# Altium PCB Timingcard_PCB.PcbDoc (part 1 of 3) (continued)
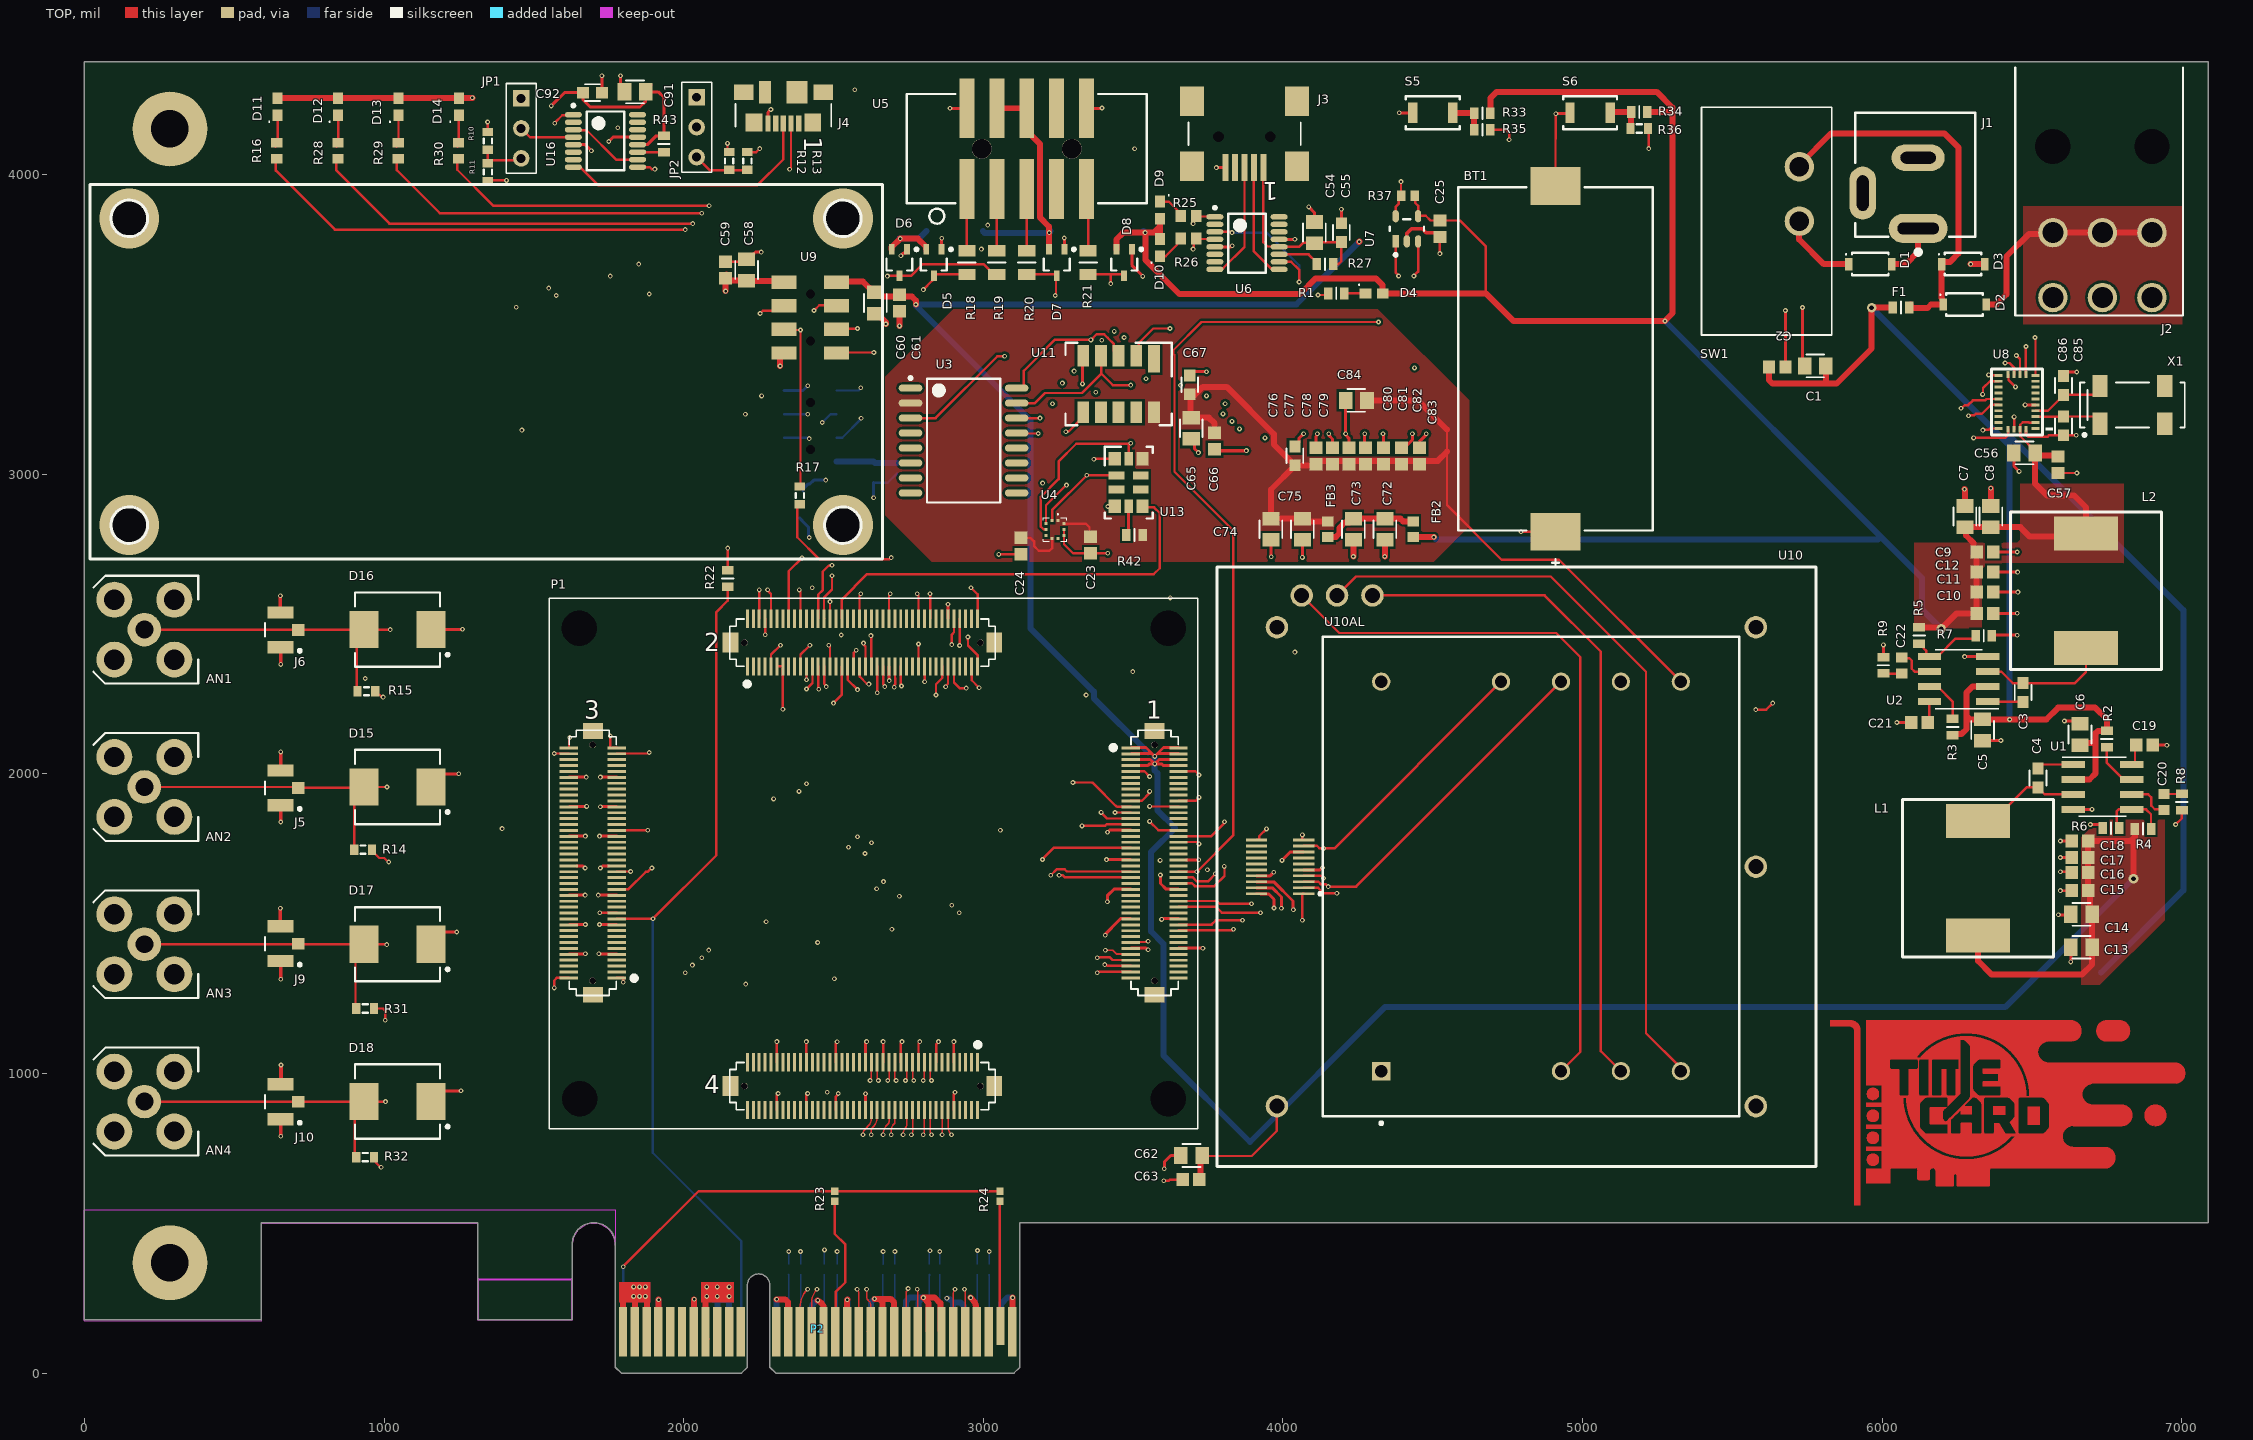
[diagram p0: TOP view]
## Footprints (in the part's own frame and the unit in brackets; to place one, negate y for a bottom-side part, rotate by r counter-clockwise, add the part's x,y. Pads: shape width x height; smd on the part's side, far side on the other; paste and mask are expansions set on the pad)
3PINV-100 [mil] "3Pin solder for flex cable"
  rect 55x55 hole 30: 1(0,0)
  round 55 hole 30: 2(100,0) 3(200,0)
  silkscreen extent -50,-50 250,50
39-30-1060 [mm] "HDR 2X3 MINI-FIT JR R/A 4.2MM"
  round 1.27 hole 3 unplated: 0(-8.4,-12.8) 0(0,-12.8)
  round 2.5 hole 1.8: 1(0,-5.5) 2(-4.2,-5.5) 3(-8.4,-5.5) 4(0,0) 5(-4.2,0) 6(-8.4,0)
  silkscreen extent -11.03,-19.49 3.18,1.52, body extent -11.03,-19.49 3.18,0.44, height 11.4
AMPHENOL-901-143-6RFX [mil] "CONN JACK SMA R/A TH"
  round 112 hole 60: 1(0,0)
  round 120 hole 68: 2(-100,-100) 3(-100,100) 4(100,100) 5(100,-100)
  silkscreen extent -180,-180 170,180, body extent -138,-138 356,138, height 388
BMP388 [mm]
  rect 0.25x0.275 smd: 1(0.25,0.763) 2(-0.25,0.763) 6(-0.25,-0.763) 7(0.25,-0.763)
  rect 0.275x0.25 smd: 3(-0.762,0.5) 4(-0.762,0) 5(-0.762,-0.5) 8(0.762,-0.5) 9(0.762,0) 10(0.762,0.5)
  silkscreen extent -1,-1 1,1.35
CAPC1005X06N [mm] "Chip Capacitor, 0402, 2-Leads, Body 1.00x0.50mm, IPC Medium Density"
  rect 0.68x0.64 smd: 1(-0.43,0) 2(0.43,0)
  body extent -0.55,-0.3 0.55,0.3, height 0.6
CAPC1608X10N [mm] "Chip Capacitor, 0603, 2-Leads, Body 1.60x0.80mm, IPC Medium Density"
  rect 1x0.95 smd: 1(-0.8,0) 2(0.8,0)
  silkscreen extent -0.64,-0.71 0.64,0.71, body extent -0.88,-0.48 0.87,0.48, height 1
CAPC1608X87X45ML20T05 [mm] "Chip Capacitor, 2-Leads, Body 1.60x0.80mm, IPC Low Density"
  rect 1.05x1.1 smd: 1(-0.7,0) 2(0.7,0)
  body extent -0.9,-0.5 0.9,0.5, height 0.87
CAPC1608X90X35NL10T15 [mm] "Chip Capacitor, 2-Leads, Body 1.60x0.80mm, IPC Medium Density"
  rect 0.85x0.95 smd: 1(-0.675,0) 2(0.675,0)
  body extent -0.85,-0.45 0.85,0.45, height 0.9
CAPC2012X14N [mm] "Chip Capacitor, 0805, 2-Leads, Body 2.00x1.25mm, IPC Medium Density"
  rect 1.15x1.45 smd: 1(-0.9,0) 2(0.9,0)
  silkscreen extent -0.76,-0.97 0.76,0.97, body extent -1.1,-0.72 1.1,0.72, height 1.4
CUI_PJ-002A [mm]
  oval 2.5x5 hole 1 slot 3.5 at 90 deg: 1(0,0)
  oval 2.25x4.5 hole 1 slot 3 at 90 deg: 2(6,0)
  oval 4.5x2.25 hole 1 slot 3 at 0 deg: 3(3,4.7)
  silkscreen extent -2.2,-4.83 9.8,5.33, body extent -0.74,-4.47 13.66,4.93, height 11.06
DIOM1608X06N [mm] "Molded Diode, 0603, 2-Leads, Body 1.60x0.80mm, IPC Medium Density"
  rect 1x0.85 smd: 1(-0.725,0) 2(0.725,0)
  silkscreen extent -1.32,0.68 -1.22,0.77, body extent -0.8,-0.4 0.8,0.4, height 0.6
DIOM6959X26N [mm] "Molded Diode, SMC, 2-Leads, Body 6.85x5.90mm, IPC Medium Density"
  rect 2.45x3.15 smd: A(2.85,0) K(-2.85,0)
  silkscreen extent -4.38,-3.15 3.6,3.15, body extent -4.06,-3.15 4.06,3.15, height 2.63
FP-5TS1-IPC_C [mm]
  rect 1.038x0.532 smd paste+0 mask+0: 1(-1.066,0.95)
  rrect100% 1.038x0.532 smd paste+0 mask+0: 2(-1.066,0) 3(-1.066,-0.95) 4(1.066,-0.95) 5(1.066,0.95)
  silkscreen extent -2.34,-1.45 0.8,1.45, body extent -1.69,-1.55 1.69,1.55, height 0.25
FP-BU2032SM-BT-GTR-MFG [mm]
  rect 3.2x4.2 smd paste+0 mask+0: 1(14.65,0) 2(-14.65,0)
  silkscreen extent -17.6,-8.25 14.55,8.25, body extent -16.35,-8.35 16.35,8.35, height 0.25
FPGA_CONN [mm]
  rect 1.55x0.25 smd: A-1(21.786,9.875) A-2(25.836,9.875) A-3(21.786,9.375) A-4(25.836,9.375) A-5(21.786,8.875) A-6(25.836,8.875) A-7(21.786,8.375) A-8(25.836,8.375) A-9(21.786,7.875) A-10(25.836,7.875) A-11(21.786,7.375) A-12(25.836,7.375) A-13(21.786,6.875) A-14(25.836,6.875) A-15(21.786,6.375) A-16(25.836,6.375) A-17(21.786,5.875) A-18(25.836,5.875) A-19(21.786,5.375) A-20(25.836,5.375) A-21(21.786,4.875) A-22(25.836,4.875) A-23(21.786,4.375) A-24(25.836,4.375) A-25(21.786,3.875) A-26(25.836,3.875) A-27(21.786,3.375) A-28(25.836,3.375) A-29(21.786,2.875) A-30(25.836,2.875) A-31(21.786,2.375) A-32(25.836,2.375) A-33(21.786,1.875) A-34(25.836,1.875) A-35(21.786,1.375) A-36(25.836,1.375) A-37(21.786,0.875) A-38(25.836,0.875) A-39(21.786,0.375) A-40(25.836,0.375) A-41(21.786,-0.125) A-42(25.836,-0.125) A-43(21.786,-0.625) A-44(25.836,-0.625) A-45(21.786,-1.125) A-46(25.836,-1.125) A-47(21.786,-1.625) A-48(25.836,-1.625) A-49(21.786,-2.125) A-50(25.836,-2.125) A-51(21.786,-2.625) A-52(25.836,-2.625) A-53(21.786,-3.125) A-54(25.836,-3.125) A-55(21.786,-3.625) A-56(25.836,-3.625) A-57(21.786,-4.125) A-58(25.836,-4.125) A-59(21.786,-4.625) A-60(25.836,-4.625) A-61(21.786,-5.125) A-62(25.836,-5.125) A-63(21.786,-5.625) A-64(25.836,-5.625) A-65(21.786,-6.125) A-66(25.836,-6.125) A-67(21.786,-6.625) A-68(25.836,-6.625) A-69(21.786,-7.125) A-70(25.836,-7.125) A-71(21.786,-7.625) A-72(25.836,-7.625) A-73(21.786,-8.125) A-74(25.836,-8.125) A-75(21.786,-8.625) A-76(25.836,-8.625) A-77(21.786,-9.125) A-78(25.836,-9.125) A-79(21.786,-9.625) A-80(25.836,-9.625) C-1(-21.786,-9.624) C-2(-25.836,-9.624) C-3(-21.786,-9.124) C-4(-25.836,-9.124) C-5(-21.786,-8.624) C-6(-25.836,-8.624) C-7(-21.786,-8.124) C-8(-25.836,-8.124) C-9(-21.786,-7.624) C-10(-25.836,-7.624) C-11(-21.786,-7.124) C-12(-25.836,-7.124) C-13(-21.786,-6.624) C-14(-25.836,-6.624) C-15(-21.786,-6.124) C-16(-25.836,-6.124) C-17(-21.786,-5.624) C-18(-25.836,-5.624) C-19(-21.786,-5.124) C-20(-25.836,-5.124) C-21(-21.786,-4.624) C-22(-25.836,-4.624) C-23(-21.786,-4.124) C-24(-25.836,-4.124) C-25(-21.786,-3.624) C-26(-25.836,-3.624) C-27(-21.786,-3.124) C-28(-25.836,-3.124) C-29(-21.786,-2.624) C-30(-25.836,-2.624) C-31(-21.786,-2.124) C-32(-25.836,-2.124) C-33(-21.786,-1.624) C-34(-25.836,-1.624) C-35(-21.786,-1.124) C-36(-25.836,-1.124) C-37(-21.786,-0.624) C-38(-25.836,-0.624) C-39(-21.786,-0.124) C-40(-25.836,-0.124) C-41(-21.786,0.376) C-42(-25.836,0.376) C-43(-21.786,0.876) C-44(-25.836,0.876) C-45(-21.786,1.376) C-46(-25.836,1.376) C-47(-21.786,1.876) C-48(-25.836,1.876) C-49(-21.786,2.376) C-50(-25.836,2.376) C-51(-21.786,2.876) C-52(-25.836,2.876) C-53(-21.786,3.376) C-54(-25.836,3.376) C-55(-21.786,3.876) C-56(-25.836,3.876) C-57(-21.786,4.376) C-58(-25.836,4.376) C-59(-21.786,4.876) C-60(-25.836,4.876) C-61(-21.786,5.376) C-62(-25.836,5.376) C-63(-21.786,5.876) C-64(-25.836,5.876) C-65(-21.786,6.376) C-66(-25.836,6.376) C-67(-21.786,6.876) C-68(-25.836,6.876) C-69(-21.786,7.376) C-70(-25.836,7.376) C-71(-21.786,7.876) C-72(-25.836,7.876) C-73(-21.786,8.376) C-74(-25.836,8.376) C-75(-21.786,8.876) C-76(-25.836,8.876) C-77(-21.786,9.376) C-78(-25.836,9.376) C-79(-21.786,9.876) C-80(-25.836,9.876)
  rect 1.7x1.35 smd: A-81(23.8,11.3) A-84(23.8,-11.05) C-81(-23.8,-11.05) C-84(-23.8,11.3)
  round 0.55 hole 0.55: A-82(23.811,10.125) A-83(23.811,-9.875) B-82(-10.951,18.795) B-83(9.049,18.795) C-82(-23.811,-9.874) C-83(-23.811,10.126) D-82(9.049,-18.795) D-83(-10.951,-18.795)
  rect 0.25x1.55 smd: B-1(-10.701,16.77) B-2(-10.701,20.82) B-3(-10.201,16.77) B-4(-10.201,20.82) B-5(-9.701,16.77) B-6(-9.701,20.82) B-7(-9.201,16.77) B-8(-9.201,20.82) B-9(-8.701,16.77) B-10(-8.701,20.82) B-11(-8.201,16.77) B-12(-8.201,20.82) B-13(-7.701,16.77) B-14(-7.701,20.82) B-15(-7.201,16.77) B-16(-7.201,20.82) B-17(-6.701,16.77) B-18(-6.701,20.82) B-19(-6.201,16.77) B-20(-6.201,20.82) B-21(-5.701,16.77) B-22(-5.701,20.82) B-23(-5.201,16.77) B-24(-5.201,20.82) B-25(-4.701,16.77) B-26(-4.701,20.82) B-27(-4.201,16.77) B-28(-4.201,20.82) B-29(-3.701,16.77) B-30(-3.701,20.82) B-31(-3.201,16.77) B-32(-3.201,20.82) B-33(-2.701,16.77) B-34(-2.701,20.82) B-35(-2.201,16.77) B-36(-2.201,20.82) B-37(-1.701,16.77) B-38(-1.701,20.82) B-39(-1.201,16.77) B-40(-1.201,20.82) B-41(-0.701,16.77) B-42(-0.701,20.82) B-43(-0.201,16.77) B-44(-0.201,20.82) B-45(0.299,16.77) B-46(0.299,20.82) B-47(0.799,16.77) B-48(0.799,20.82) B-49(1.299,16.77) B-50(1.299,20.82) B-51(1.799,16.77) B-52(1.799,20.82) B-53(2.299,16.77) B-54(2.299,20.82) B-55(2.799,16.77) B-56(2.799,20.82) B-57(3.299,16.77) B-58(3.299,20.82) B-59(3.799,16.77) B-60(3.799,20.82) B-61(4.299,16.77) B-62(4.299,20.82) B-63(4.799,16.77) B-64(4.799,20.82) B-65(5.299,16.77) B-66(5.299,20.82) B-67(5.799,16.77) B-68(5.799,20.82) B-69(6.299,16.77) B-70(6.299,20.82) B-71(6.799,16.77) B-72(6.799,20.82) B-73(7.299,16.77) B-74(7.299,20.82) B-75(7.799,16.77) B-76(7.799,20.82) B-77(8.299,16.77) B-78(8.299,20.82) B-79(8.799,16.77) B-80(8.799,20.82) D-1(8.799,-16.77) D-2(8.799,-20.82) D-3(8.299,-16.77) D-4(8.299,-20.82) D-5(7.799,-16.77) D-6(7.799,-20.82) D-7(7.299,-16.77) D-8(7.299,-20.82) D-9(6.799,-16.77) D-10(6.799,-20.82) D-11(6.299,-16.77) D-12(6.299,-20.82) D-13(5.799,-16.77) D-14(5.799,-20.82) D-15(5.299,-16.77) D-16(5.299,-20.82) D-17(4.799,-16.77) D-18(4.799,-20.82) D-19(4.299,-16.77) D-20(4.299,-20.82) D-21(3.799,-16.77) D-22(3.799,-20.82) D-23(3.299,-16.77) D-24(3.299,-20.82) D-25(2.799,-16.77) D-26(2.799,-20.82) D-27(2.299,-16.77) D-28(2.299,-20.82) D-29(1.799,-16.77) D-30(1.799,-20.82) D-31(1.299,-16.77) D-32(1.299,-20.82) D-33(0.799,-16.77) D-34(0.799,-20.82) D-35(0.299,-16.77) D-36(0.299,-20.82) D-37(-0.201,-16.77) D-38(-0.201,-20.82) D-39(-0.701,-16.77) D-40(-0.701,-20.82) D-41(-1.201,-16.77) D-42(-1.201,-20.82) D-43(-1.701,-16.77) D-44(-1.701,-20.82) D-45(-2.201,-16.77) D-46(-2.201,-20.82) D-47(-2.701,-16.77) D-48(-2.701,-20.82) D-49(-3.201,-16.77) D-50(-3.201,-20.82) D-51(-3.701,-16.77) D-52(-3.701,-20.82) D-53(-4.201,-16.77) D-54(-4.201,-20.82) D-55(-4.701,-16.77) D-56(-4.701,-20.82) D-57(-5.201,-16.77) D-58(-5.201,-20.82) D-59(-5.701,-16.77) D-60(-5.701,-20.82) D-61(-6.201,-16.77) D-62(-6.201,-20.82) D-63(-6.701,-16.77) D-64(-6.701,-20.82) D-65(-7.201,-16.77) D-66(-7.201,-20.82) D-67(-7.701,-16.77) D-68(-7.701,-20.82) D-69(-8.201,-16.77) D-70(-8.201,-20.82) D-71(-8.701,-16.77) D-72(-8.701,-20.82) D-73(-9.201,-16.77) D-74(-9.201,-20.82) D-75(-9.701,-16.77) D-76(-9.701,-20.82) D-77(-10.201,-16.77) D-78(-10.201,-20.82) D-79(-10.701,-16.77) D-80(-10.701,-20.82)
  rect 1.35x1.7 smd: B-81(-12.125,18.8) B-84(10.225,18.8) D-81(10.225,-18.8) D-84(-12.125,-18.8)
  rect 0x0 hole 3: MNT-1(-24.952,20.008) MNT-2(24.985,20.008) MNT-3(24.985,-19.87) MNT-4(-24.926,-19.87)
  silkscreen extent -27.52,-22.43 27.48,22.57
FUSM1608X60N [mm] "Chip Fuse, 0603, 2-Leads, Body 1.60x0.81mm, IPC Medium Density"
  rect 0.72x1 smd: 1(-0.69,0) 2(0.69,0)
  silkscreen extent 0,-0.5 0,0.5, body extent -0.81,-0.41 0.81,0.41, height 0.61
IND_PM124SH [mm]
  rect 2.9x5.4 smd: 1(-4.85,0) 2(4.85,0)
  silkscreen extent -6.68,-6.4 6.68,6.4, body extent -6.81,-6.53 6.81,6.53, height 4.5
INDC1608X09N [mm] "Chip Inductor, 2-Leads, Body 1.60x0.80mm, IPC Medium Density"
  rect 0.87x0.98 smd: 1(-0.665,0) 2(0.665,0)
  body extent -0.88,-0.47 0.88,0.47, height 0.94
J1-0603 [mm] "Chip Resistor, Body 1.6x0.8mm, IPC High Density"
  rect 0.7x0.9 smd: 1(-0.75,0) 2(0.75,0)
  silkscreen extent -0.2,-0.35 0.2,0.35, body extent -0.85,-0.48 0.85,0.48, height 0.9
L101011MS02Q [mm] "SPST, TH, 6 PINS"
  round 2.5 hole 1.65: 1(-2.85,-4.6) 2(-2.85,0)
  silkscreen extent -5.59,-9.65 5.45,9.65, body extent -5.45,-9.56 5.45,9.56, height 14.16
LGA-28 [mm]
  rect 0.25x0.675 smd: 1(2.25,1.562) 6(2.25,-1.562) 7(1.75,-1.562) 8(1.25,-1.562) 9(0.75,-1.562) 10(0.25,-1.562) 11(-0.25,-1.562) 12(-0.75,-1.562) 13(-1.25,-1.562) 14(-1.75,-1.562) 15(-2.25,-1.562) 20(-2.25,1.562) 21(-1.75,1.562) 22(-1.25,1.562) 23(-0.75,1.562) 24(-0.25,1.562) 25(0.25,1.562) 26(0.75,1.562) 27(1.25,1.562) 28(1.75,1.562)
  rect 0.575x0.25 smd: 2(2.312,0.75) 3(2.312,0.254) 4(2.312,-0.25) 5(2.312,-0.75) 16(-2.312,-0.75) 17(-2.312,-0.25) 18(-2.312,0.25) 19(-2.312,0.75)
  silkscreen extent -2.79,-2.16 2.79,3.05
MAC-SA5X [mm]
  rect 0.25x1.8 smd: 1(27.691,7.365) 2(27.691,3.365) 3(27.183,7.365) 4(27.183,3.365) 5(26.675,7.365) 6(26.675,3.365) 7(26.167,7.365) 8(26.167,3.365) 9(25.659,7.365) 10(25.659,3.365) 11(25.151,7.365) 12(25.151,3.365) 13(24.643,7.365) 14(24.643,3.365) 15(24.135,7.365) 16(24.135,3.365) 17(23.627,7.365) 18(23.627,3.365) 19(23.119,7.365) 20(23.119,3.365)
  round 1.905 hole 1.27: P1(45.7,45.7) P2(25.4,45.7) P3(5.1,45.7) P4(5.1,5.1) P5(45.7,5.1) P6(2.4,7.2) P7(2.4,10.2) P8(2.4,13.2)
  silkscreen extent 0,0 50.8,50.8, body extent 21,2.7 29.8,8.1, height 2.28
MCSM-090-02984-00X [mm] "THD, 9-Leads, Body 40.64x35.306mm"
  rect 1.55x1.55 hole 1.05: 1(-16.51,12.7)
  round 1.55 hole 1.05: 4(-16.51,-2.54) 5(-16.51,-7.62) 6(-16.51,-12.7) 7(16.51,-12.7) 8(16.51,-7.62) 9(16.51,-2.54) 10(16.51,2.54) 12(16.51,12.7)
  silkscreen extent -21.04,-17.65 20.32,17.65, body extent -20.32,-17.65 20.32,17.65, height 11.43
OMRON-B3U-1000P [mm] "SW, SPST-NO TACT 2.5X3MM"
  rect 0.8x1.7 smd: 1(-1.7,0) 2(1.7,0)
  silkscreen extent -2.29,-1.4 2.29,1.4, body extent -2,-1.25 2,1.25, height 1.6
PCIE_4LANE_EDGE [mil] "PCIE_4LANE_EDGE"
  rect 28x126 smd far side: A1(-649.6,-87.74)
  rect 28x165 smd far side: A2(-610.23,-107.24) A3(-570.86,-107.24) A4(-531.49,-107.24) A5(-492.12,-107.24) A6(-452.75,-107.24) A7(-413.38,-107.24) A8(-374.01,-107.24) A9(-334.64,-107.24) A10(-295.27,-107.24) A11(-255.9,-107.24) A12(-137.79,-107.24) A13(-98.42,-107.24) A14(-59.05,-107.24) A15(-19.68,-107.24) A16(19.69,-107.24) A17(59.06,-107.24) A18(98.43,-107.24) A19(137.8,-107.24) A20(177.17,-107.24) A21(216.54,-107.24) A22(255.91,-107.24) A23(295.28,-107.24) A24(334.65,-107.24) A25(374.02,-107.24) A26(413.39,-107.24) A27(452.76,-107.24) A28(492.13,-107.24) A29(531.5,-107.24) A30(570.87,-107.24) A31(610.24,-107.24) A32(649.61,-107.24)
  rect 28x165 smd: B1(-649.6,-107.24) B2(-610.23,-107.24) B3(-570.86,-107.24) B4(-531.49,-107.24) B5(-492.12,-107.24) B6(-452.75,-107.24) B7(-413.38,-107.24) B8(-374.01,-107.24) B9(-334.64,-107.24) B10(-295.27,-107.24) B11(-255.9,-107.24) B12(-137.79,-107.24) B13(-98.42,-107.24) B14(-59.05,-107.24) B15(-19.68,-107.24) B16(19.69,-107.24) B17(59.06,-107.24) B18(98.43,-107.24) B19(137.8,-107.24) B20(177.17,-107.24) B21(216.54,-107.24) B22(255.91,-107.24) B23(295.28,-107.24) B24(334.65,-107.24) B25(374.02,-107.24) B26(413.39,-107.24) B27(452.76,-107.24) B28(492.13,-107.24) B29(531.5,-107.24) B30(570.87,-107.24) B32(649.61,-107.24)
  rect 28x126 smd: B31(610.24,-87.74)
RCB-F9T [mm]
  round 0 hole 0.76: 0(18.47,6.11) 0(22.47,6.11)
  rect 1.12x2.105 smd: 1(23.47,3.888) 2(23.47,8.333) 3(21.47,3.888) 4(21.47,8.333) 5(19.47,3.888) 6(19.47,8.333) 7(17.47,3.888) 8(17.47,8.333)
  silkscreen extent 0,0 31.75,67.18, body extent 16.32,3.33 24.32,8.89, height 4.32
RESC1005X04N [mm] "Chip Resistor, 0402, 2-Leads, Body 1.00x0.50mm, IPC Medium Density"
  rect 0.65x0.6 smd: 1(-0.425,0) 2(0.425,0)
  body extent -0.55,-0.3 0.55,0.3, height 0.4
RESC1608X50N [mm] "Chip Resistor, 0603, 2-Leads, Body 1.57x0.85mm, IPC Medium Density"
  rect 0.72x1 smd: 1(-0.69,0) 2(0.69,0)
  silkscreen extent 0,-0.5 0,0.5, body extent -0.83,-0.48 0.82,0.48, height 0.5
RESC1608X50X30NL20T20 [mm] "Chip Resistor, 2-Leads, Body 1.60x0.80mm, IPC Medium Density"
  rect 0.9x1 smd: 1(-0.65,0) 2(0.65,0)
  body extent -0.9,-0.5 0.9,0.5, height 0.5
RESC1608X55X30LL15T20 [mm] "Chip Resistor, 2-Leads, Body 1.7x0.95mm, IPC High Density"
  rect 0.75x0.85 smd: 1(-0.575,0) 2(0.575,0)
  body extent -0.85,-0.48 0.85,0.48, height 0.55
RESC1608X55X30NL15T15 [mm] "Chip Resistor, 2-Leads, Body 1.60x0.80mm, IPC Medium Density"
  rect 0.8x0.95 smd: 1(-0.675,0) 2(0.675,0)
  body extent -0.87,-0.48 0.87,0.48, height 0.55
RESC2012X50N [mm] "Chip Resistor, 0805, 2-Leads, Body 2.05x1.25mm, IPC Medium Density"
  rect 0.95x1.45 smd: 1(-1,0) 2(1,0)
  silkscreen extent 0,-0.76 0,0.76, body extent -1.1,-0.7 1.1,0.7, height 0.5
SAMTEC_HTST-105-01-L-DV-A [mm] "SOP, 16-Leads, Body 4.90x3.90mm, Pitch 0.64mm, IPC Medium Density"
  rect 1.27x5.08 smd: 1(-5.08,-3.43) 2(-5.08,3.43) 3(-2.54,-3.43) 4(-2.54,3.43) 5(0,-3.43) 6(0,3.43) 7(2.54,-3.43) 8(2.54,3.43) 9(5.08,-3.43) 10(5.08,3.43)
  round 1.676 hole 1.676 unplated: ""(-3.81,0) ""(3.81,0)
  silkscreen extent -10.16,-6.35 10.16,4.64, body extent -10.16,-5.59 10.16,5.59, height 10.16
SiT5155 [mm]
  rect 1.05x1.15 smd: 1(-1.175,2.025) 4(-1.175,-2.025) 6(1.175,-2.025) 9(1.175,2.025)
  rect 1.35x0.7 smd: 2(-1.025,0.6) 3(-1.025,-0.6) 7(1.025,-0.6) 8(1.025,0.6)
  rect 0.7x1.15 smd: 5(0,-2.025) 10(0,2.025)
  silkscreen extent -2.03,-3.05 2.03,3.05
SIT5721 [mm] "QFN, 32-LEADS, BODY 5.2 X 5.2 MM (MAX), PITCH 0.5MM"
  rect 2.3x1 smd: 1(-2.15,3)
  rect 1.8x1 smd: 2(-2.4,1.5) 3(-2.4,0) 4(-2.4,-1.5) 5(-2.4,-3) 6(2.4,-3) 7(2.4,-1.5) 8(2.4,0) 9(2.4,1.5) 10(2.4,3)
  silkscreen extent -3.5,-4.5 3.5,4.5
SM8 [mm]
  rect 1.3x1.9 smd: 1(-2.75,-1.6) 2(2.75,-1.6) 3(2.75,1.6) 4(-2.75,1.6)
  silkscreen extent -4.44,-2.67 4.44,1.91, body extent -3.81,-1.91 3.81,1.91, height 2.54
SODFL370X135-2N [mm] "SODFL, SOD-123FL, 2-Leads, Body 1.65x3.70mm, IPC Medium Density"
  rect 0.65x1.05 smd: 1(-1.825,0) 2(1.825,0)
  silkscreen extent -2.1,-0.95 1.55,0.95, body extent -1.93,-1.08 1.92,1.08, height 1.35
SOIC127P600X175-8N [mm] "SOIC, 8-Leads, Body 6.00x4.90mm, Pitch 1.27mm, IPC Medium Density"
  rect 1.97x0.57 smd: 1(-2.475,1.905) 2(-2.475,0.635) 3(-2.475,-0.635) 4(-2.475,-1.905) 5(2.475,-1.905) 6(2.475,-0.635) 7(2.475,0.635) 8(2.475,1.905)
  silkscreen extent -3.4,-2.5 2,2.5, body extent -3,-2.45 3,2.45, height 1.75
SOP64P600X170-16N [mm] "SOP, 16-Leads, Body 4.90x3.90mm, Pitch 0.64mm, IPC Medium Density"
  oval 1.45x0.45 smd: 1(-2.725,2.222) 2(-2.725,1.587) 3(-2.725,0.953) 4(-2.725,0.318) 5(-2.725,-0.318) 6(-2.725,-0.953) 7(-2.725,-1.587) 8(-2.725,-2.222) 9(2.725,-2.222) 10(2.725,-1.587) 11(2.725,-0.953) 12(2.725,-0.318) 13(2.725,0.318) 14(2.725,0.953) 15(2.725,1.587) 16(2.725,2.222)
  silkscreen extent -2.85,-2.5 1.6,3.12, body extent -3.1,-2.5 3.1,2.5, height 1.76
SOT65P210X110-3N [mm] "SOT323-3 (SC70), 3-Leads, Body 2.00x2.10mm, Pitch 0.65mm, IPC Medium Density"